# KiCad board PC110.kicad_pcb (continued)
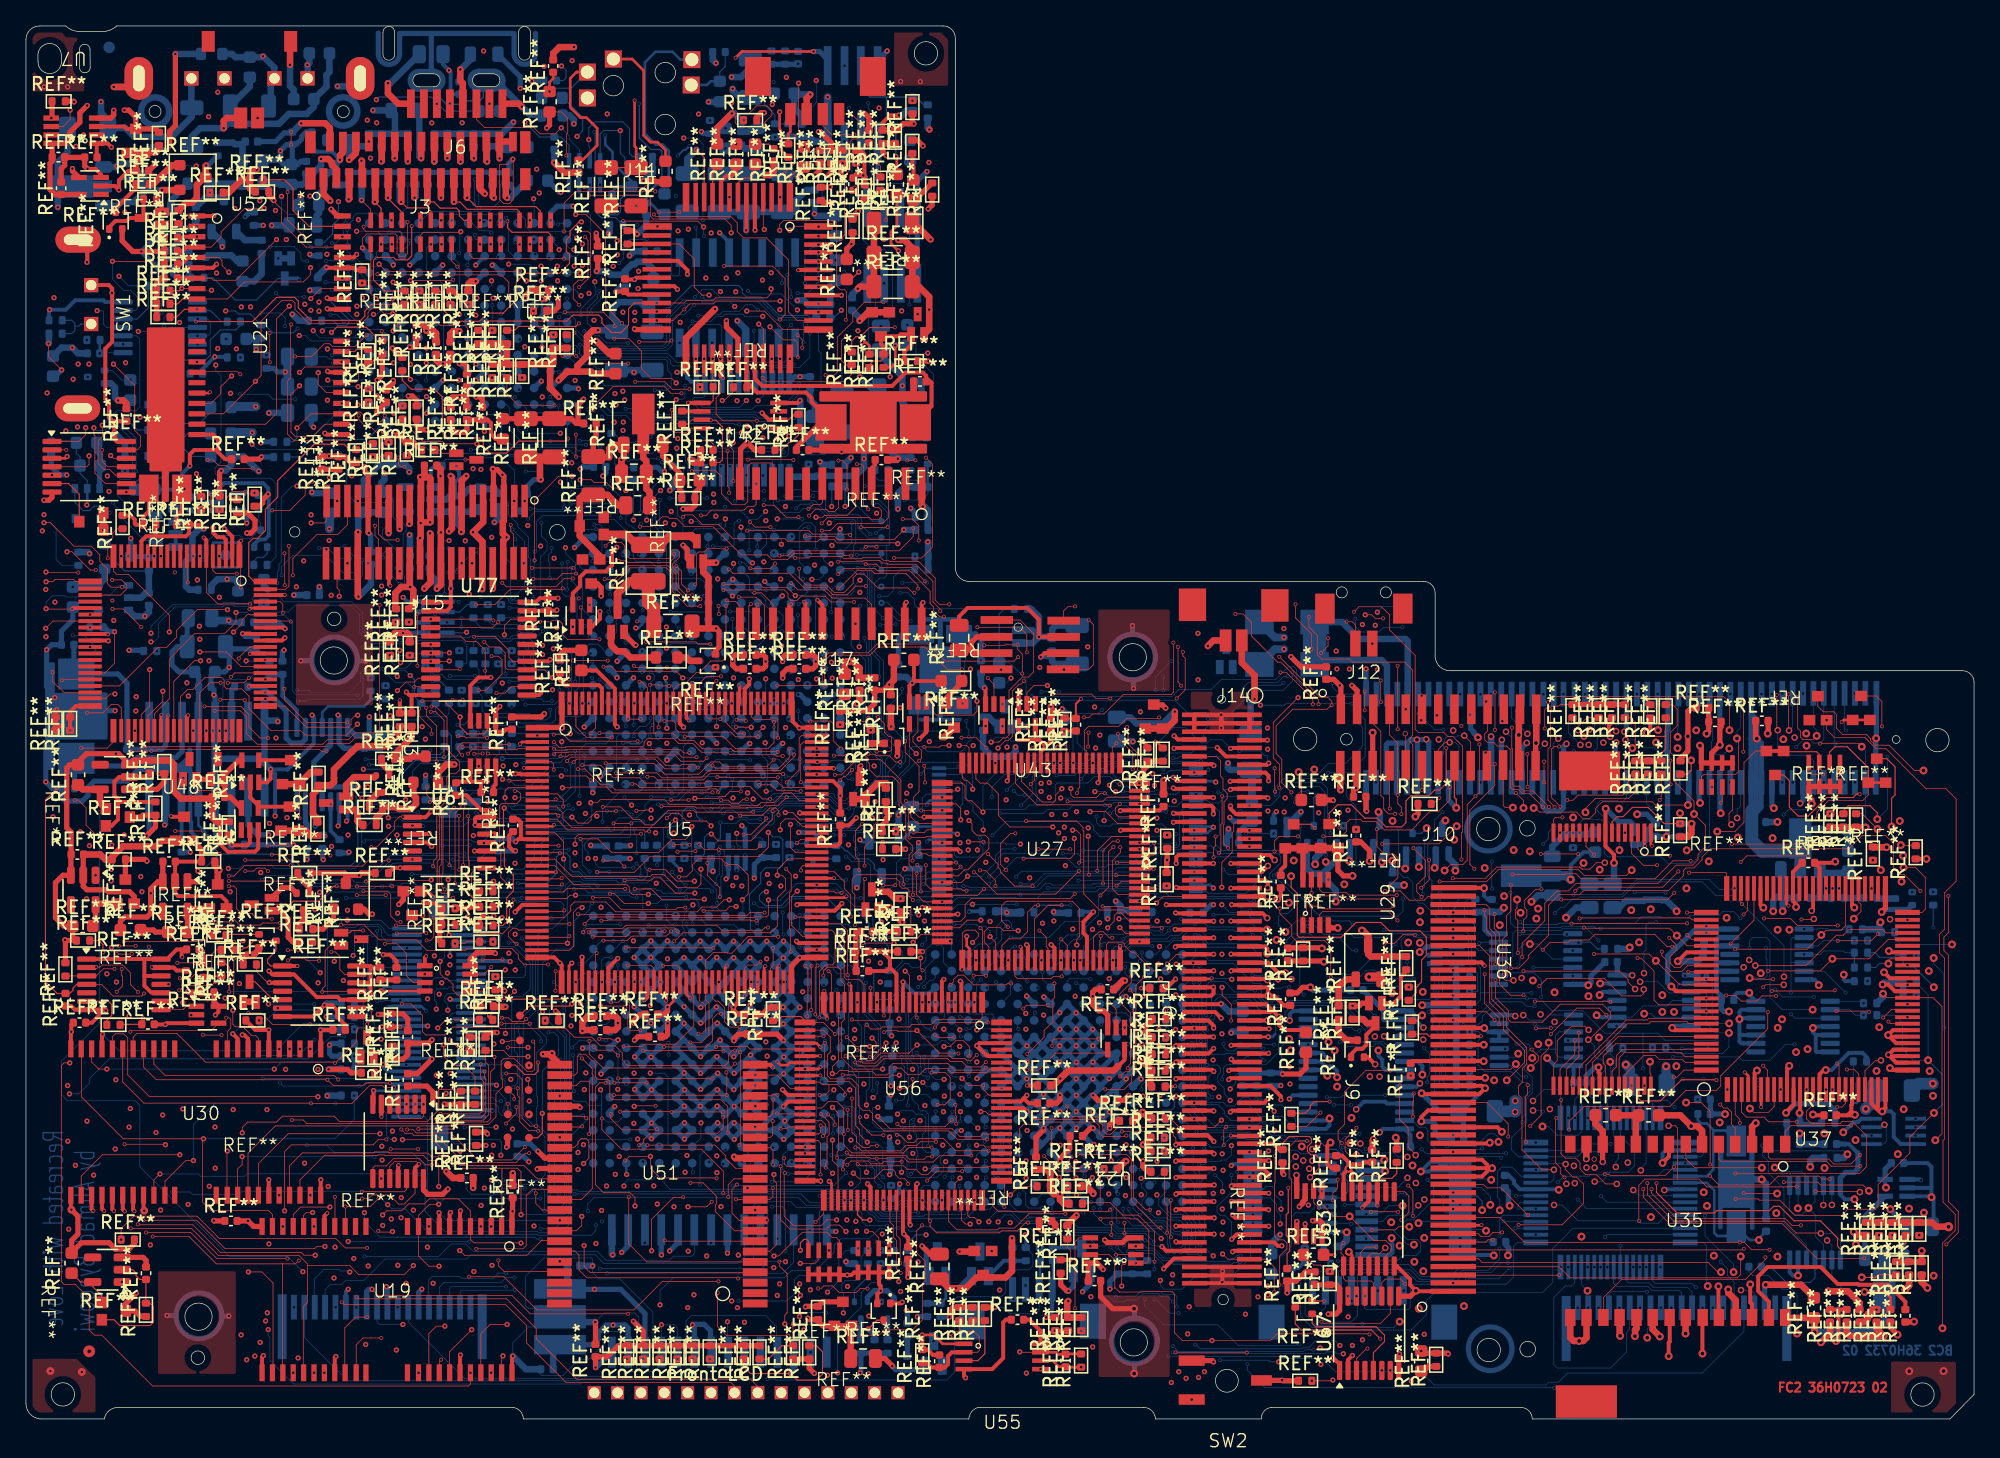
[diagram p0: board, top side]
## Routing (per net, layer and track width the routed paths; a pad name or vN(x,y) marks a point on that pad's centre or on a via; arc(x,y) is an arc through that point) (continued)
  BC1 w0.05: v11(71.32,41.09) 69.74,39.51 69.74,38.1 v11(69.34,37.7) ; v11(69.02,36.54) 69.41,36.54 70.07,35.88 70.07,32.02 70.48,31.61 71.86,31.61 72.29,31.18 72.29,30.93 v1(73.24,29.98) 72.75,29.49 72.75,28.6 71.7,27.55 71.7,25.88 v11(71.98,25.6)
  BC2 w0.05: v11(69.34,37.7) 69.34,36.86 v11(69.02,36.54) ; 72.57,25.65 72.03,25.65 v11(71.98,25.6)
  BC2 w0.2: U6.2 71.26,41.15 v11(71.32,41.09)
SA16: length 62.7
  BC1 w0.05: v11(44.38,48.91) 44.38,47.21 v11(44.73,46.86) ; v11(47.02,43.62) 48.01,43.62 48.18,43.45 49.48,43.45 49.91,43.88 52.22,43.88 52.86,43.24 53.56,43.24 53.98,43.66 53.98,44.35 54.14,44.51 55.64,44.51 56.4,43.75 56.96,43.75 57.08,43.87 57.08,44.35 56.2,45.23 56.2,46.38 56.58,46.76 v11(57.2,46.76) ; v11(63.16,43.33) 62.49,44 62.49,46.32 62.43,46.38 v11(62.43,46.84) ; v11(46.88,45.43) 46.64,45.67 v11(46.64,46.58) ; v11(69.96,26.98) 69.36,27.58 65.95,27.58 65.82,27.71 65.82,28.06 65.95,28.19 67.08,28.19 67.46,28.57 67.46,29.48 66.44,30.5 66.44,32.01 67.14,32.71 67.14,33.84 67.31,34.01 67.31,37.45 66.83,37.93 66.83,38.89 67,39.06 67,39.78 66.87,39.91 v11(66.87,40.58)
  BC2 w0.05: v11(44.73,46.86) 46.36,46.86 v11(46.64,46.58) ; v11(44.38,48.91) 44.94,48.91 ; v11(47.02,43.62) 47.05,43.65 47.05,44.94 46.88,45.11 v11(46.88,45.43) ; 70.03,26.92 69.97,26.98 v11(69.96,26.98) 69.96,26.98 U25.J1 ; U6.1 66.94,40.65 v11(66.87,40.58) 66.85,40.56 65.64,40.56 65.06,41.14 65.06,42.62 64.73,42.95 63.62,42.95 63.24,43.33 v11(63.16,43.33) ; v11(57.2,46.76) 57.47,47.03 57.63,47.03 58.21,47.61 61.59,47.61 62.36,46.84 v11(62.43,46.84)
SBHE#: length 61.1
  IC2 w0.05: v1(53.19,53.36) 53.27,53.28 53.27,52.58 53.69,52.16 53.69,51.9 53.39,51.6 53.39,43.4 52.55,42.56 52.55,41.74 51.77,40.96 51.08,40.96 50.19,40.07 50.19,24.09 52.1,22.18 66.11,22.18 66.3,22.37 70.29,22.37 71.41,21.25 71.41,20.35 v1(71.94,19.82)
  BC2 w0.05: v1(71.94,19.82) 71.94,19.8 72.46,19.28 U25.C3 ; v1(53.19,53.36) 53.19,54.51 53.04,54.66 51.08,54.66 50.41,53.99 50.02,53.99
SD0: length 293.1
  FC2 w0.05: v2(63.13,27.96) 64.41,27.96 64.75,27.62 65.27,27.62 65.84,28.19 68.01,28.19 v1(68.64,28.82) ; v5(142.88,27.63) 142.45,27.63 141.65,26.83 U37.22 ; v2(113.19,33.83) 113.19,32.46 114.2,31.45 114.2,30.76 114.38,30.58 116.8,30.58 118.18,31.96 121.44,31.96 122.03,31.37 122.03,30.86 120.39,29.22 v5(120.34,29.22) ; v1(56.78,53.3) 56.38,52.9 v2(56.38,52.57) 54.65,52.57 54.29,52.93 50.28,52.93 50.06,53.15 50.06,53.59 49.86,53.79 v2(49.18,53.79) ; U51.17 57.34,21.7 57.52,21.88 v2(57.52,22.95) ; v2(45.32,83.25) 46.44,83.25 47.4,82.29 47.4,80.94 48.15,80.19 49.74,80.19 v1(50.09,79.84)
  FC2 w0.2: U27.46 71.52,38.85 71.57,38.9 v1(71.77,38.9) ; v2(60,26.96) 61.03,26.96 v2(61.21,27.14)
  FC2 w0.3: v2(112.35,34.93) 112.1,35.18 109.93,35.18
  FC1 w0.05: v2(112.35,34.93) 112.05,34.63 112.05,34.06 112.28,33.83 v2(113.19,33.83) ; v2(57.52,22.95) 57.13,23.34 57.13,25.85 57.44,26.16 59.47,26.16 60,26.69 v2(60,26.96) ; v2(63.13,27.96) 62.31,27.14 v2(61.21,27.14) ; v2(45.32,83.25) 45.32,82.53 44.73,81.94 44.73,76.46 46.62,74.57 46.62,70.6 46.31,70.29 46.31,65.23 48.63,62.91 48.63,54.34 v2(49.18,53.79) ; v2(56.38,52.57) 56.38,50.26 58.27,48.37 58.27,47.75 58.42,47.6 60.68,47.6 60.91,47.37 v2(60.91,47.17)
  IC1 w0.05: v3(131.19,30.48) 129.77,30.48 129.43,30.82 121.94,30.82 v5(120.34,29.22)
  IC2 w0.05: v1(68.64,28.82) 69.19,28.82 69.92,29.55 69.92,37.99 70.83,38.9 v1(71.77,38.9)
  IC3 w0.05: v1(68.64,28.82) 69.23,28.82 69.74,29.33 69.74,29.74 70.53,30.53 71,30.53 71.29,30.24 71.29,28.62 71.67,28.24 72.27,28.24 72.39,28.36 83.83,28.36 85.1,29.63 87.4,29.63 90.42,32.65 93.56,32.65 94.26,31.95 95.62,31.95 95.93,32.26 98.09,32.26 98.1,32.25 101.95,32.25 102.09,32.39 107.95,32.39 108.28,32.06 117.5,32.06 v5(120.34,29.22) ; v5(142.88,27.63) 142.84,27.67 139.15,27.67 137.59,29.23 132.44,29.23 v3(131.19,30.48) ; v1(79.47,51.76) 78.92,51.21 69.31,51.21 67.92,52.6 64.31,52.6 63.99,52.28 63.43,52.28 63.13,52.58 57.5,52.58 v1(56.78,53.3)
  IC4 w0.05: v1(71.77,38.9) 71.77,39.59 72.29,40.11 76.87,40.11 78.28,41.52 78.28,47.59 77.74,48.13 77.74,50.03 v1(79.47,51.76)
  BC1 w0.05: v11(90.13,48.15) 88.96,49.32 88.96,49.71 88.63,50.04 v11(87.61,50.04) ; v11(52.1,74) 51.13,74.97 51.13,77.02 50.54,77.61 50.54,79.39 v1(50.09,79.84) ; v11(79.39,49.6) 79.39,51.68 v1(79.47,51.76) ; v11(111.19,26.79) 111.85,26.13 111.85,25.3 112.09,25.06 116.34,25.06 116.56,24.84 116.56,23.52 117.31,22.77 119.13,22.77 119.3,22.94 v11(119.3,23.2) ; v11(56.38,52.89) 56.38,52.9
  BC1 w0.2: 56.38,52.9 v1(56.78,53.3)
  BC2 w0.05: 71.3,28.17 71.3,28.67 70.79,29.18 70.53,29.18 70.17,28.82 v1(68.64,28.82) ; v5(120.34,29.22) 120.82,28.74 120.82,27.95 121.03,27.74 121.32,27.74 121.61,27.45 121.61,26.87 120.79,26.05 120.79,25.57 120.63,25.41 120.09,25.41 119.3,24.62 v11(119.3,23.2) ; 129.44,34.14 129.88,33.7 129.88,31.02 130.42,30.48 v3(131.19,30.48) ; v11(87.61,50.04) 87.34,50.31 83.97,50.31 83.58,49.92 81.08,49.92 80.76,49.6 v11(79.39,49.6) ; v11(52.1,74) 57.38,74 57.49,73.89 57.49,73.81 57.5,73.81 U26.3
SD1: length 259
  FC2 w0.05: U51.19 57.29,23.3 57.54,23.55 57.54,24.59 v2(57.56,24.61) ; v3(114.06,26.1) 115.43,27.47 115.43,28.41 115.01,28.83 114.96,28.83 113.8,29.99 113.8,31.03 112.72,32.11 112.72,35.71 111.95,36.48 109.93,36.48 ; v2(140.25,26.93) 140.83,26.93 141.15,26.61 U37.21 ; v1(67.27,26.49) 66.67,26.49 66.5,26.32 64,26.32 63.81,26.51 v2(62.91,26.51) ; U27.47 71.99,38.35 72.34,38.7 72.34,39.64 72.8,40.1 80.42,40.1 v2(80.78,40.46) ; v2(61.18,26.47) 61.16,26.47
  FC2 w0.2: 61.16,26.47 60.01,26.47 U56.34
  FC2 w0.3: v1(59.6,46.71) 59.64,46.67 U5.95
  FC1 w0.05: v2(80.78,40.46) 80.85,40.53 80.85,43.05 81.23,43.43 82.28,43.43 83.04,44.19 v1(83.04,46.11) ; v2(140.25,26.93) 140.25,27.63 140,27.88 140,29.44 137.9,31.54 v3(137.62,31.54) ; v2(57.56,24.61) 59.54,24.61 60.97,23.18 62.15,23.18 62.39,23.42 62.39,23.46 62.63,23.7 62.63,24.55 61.89,25.29 61.89,26.17 ; v2(62.91,26.51) 62.57,26.17 61.89,26.17 ; 61.89,26.17 61.48,26.17 v2(61.18,26.47)
  IC1 w0.05: v1(59.6,46.71) 60.13,47.24 64.22,47.24 64.32,47.34 64.99,47.34 65.1,47.23 71.43,47.23 71.85,47.65 74.32,47.65 74.61,47.36 82.65,47.36 83.04,46.97 v1(83.04,46.11)
  IC2 w0.05: v1(67.27,26.49) 65.21,26.49 64.7,27 60.31,27 58.88,28.43 58.88,42.89 56.76,45.01 56.76,46.57 57.5,47.31 59,47.31 v1(59.6,46.71)
  IC4 w0.05: v1(59.6,46.71) 59.59,46.72 59.59,47.49 59.74,47.64 59.74,52.46 58.99,53.21 58.99,62.99 58.79,63.19 58.79,64.26 59.44,64.91 59.44,70.51 56.76,73.19 v1(56.76,75.61)
  BC1 w0.05: 118.84,28.63 118.35,28.63 118.01,28.29 115.87,28.29 115.58,28 115.58,27.41 115.46,27.29 115.46,26.94 114.62,26.1 v3(114.06,26.1) 114.06,26.92 112.69,28.29 112.2,28.29 111.66,28.83 v11(111.19,28.83) 109.51,28.83 109.05,29.29 109.05,30.64 109.15,30.74 109.15,33.38 108.76,33.77 108.41,33.77 107.26,34.92 105.14,34.92 103.63,36.43 102.37,36.43 101.87,36.93 101.87,39.76 101.08,40.55 101.08,42.99 100.24,43.83 96.67,43.83 96.4,44.1 95.18,44.1 94.76,44.52 94.76,47.53 94.31,47.98 v11(93.64,47.98) ; 118.84,28.63 119.14,28.63 119.29,28.78 119.65,28.78 120.09,28.34 125.56,28.34 125.79,28.57 125.79,28.88 126.01,29.1 127,29.1 v11(127.56,28.54) ; 118.84,28.63 118.83,28.62 118.83,23.23 v11(118.8,23.2) ; v1(67.27,26.49) 68.93,26.49 v11(69.25,26.81) ; v11(129.55,28.55) 129.55,30.11 128.99,30.67 128.99,35.97 129.32,36.3 v11(132.76,36.3) ; v11(69.18,27.88) 69.18,28.56 69.13,28.61 v11(69.13,29.41) ; v11(56.43,49.05) 56.43,49.67 56.65,49.89 57.74,49.89 58.5,49.13 59.15,49.13 59.37,48.91 59.37,47.76 59.6,47.53 v1(59.6,46.71) ; v1(56.76,75.61) 56.77,75.6 v11(56.77,72.71)
  BC2 w0.05: v11(69.25,26.81) 69.25,27.16 69.18,27.23 v11(69.18,27.88) ; v1(83.04,46.11) 83.04,46.76 83.78,47.5 84.96,47.5 85.08,47.38 87.86,47.38 88.03,47.21 88.66,47.21 89.1,47.65 91,47.65 91.18,47.47 91.87,47.47 92.38,47.98 v11(93.64,47.98) ; v11(129.55,28.55) 127.57,28.55 v11(127.56,28.54) ; v3(137.62,31.54) 135.27,31.54 134.33,32.48 134.33,36.83 134.06,37.1 133.02,37.1 132.76,36.84 v11(132.76,36.3) ; U26.4 56.79,72.73 v11(56.77,72.71) ; U25.L1 69.16,29.44 v11(69.13,29.41)
SD2: length 258.1
  FC2 w0.05: U56.35 61.14,25.96 61.32,25.78 61.85,25.78 ; U51.21 57.41,24.9 57.49,24.98 v2(57.88,24.98) ; v2(129.7,18.73) 130.39,18.04 134.01,18.04 134.03,18.05 134.3,18.05 134.96,18.71 138.12,18.71 138.34,18.49 v2(138.92,18.49) ; v1(58.49,46.73) 59.05,46.73 59.61,46.17 U5.94 ; v1(73.55,38.44) 72.5,38.44 71.91,37.85 U27.48 ; 61.85,25.78 61.85,25.26 61.55,24.96 v2(61.13,24.96) ; 61.85,25.78 62.51,25.78 63.07,25.22 v2(63.07,24.99) ; v3(127.87,24.38) 129.03,24.38 129.72,23.69 v2(129.72,19.61) ; v2(65.02,27.9) 65.25,27.9 65.65,28.3 65.65,28.37 v1(66.25,28.97) ; U37.19 140.15,24.31 139.88,24.04 v2(139.5,24.04)
  FC1 w0.05: v2(63.07,24.99) 63.07,24.71 63.38,24.4 63.84,24.4 64.16,24.72 64.16,26.18 65.02,27.04 v2(65.02,27.9) ; v2(109.93,37.73) 109.74,37.73 109.45,37.44 109.45,36.91 109.62,36.74 111.16,36.74 111.22,36.8 115.24,36.8 116.82,38.38 116.82,38.98 v3(116.47,39.33) ; v2(57.88,24.98) 61.11,24.98 v2(61.13,24.96) ; v2(129.7,18.73) 129.7,19.59 v2(129.72,19.61) ; v2(139.5,24.04) 138.96,23.5 138.96,18.53 v2(138.92,18.49)
  IC1 w0.05: v3(127.87,24.38) 126.63,23.14 119,23.14 117.63,24.51 v5(116.08,24.51)
  IC2 w0.05: v1(73.55,38.44) 73.62,38.37 73.62,33.33 70.7,30.41 v1(70.7,30.04) ; v1(57.86,75.55) 57.91,75.55 61.66,71.8 64.01,71.8 64.53,71.28 64.53,69.46 64.93,69.06 64.93,50.75 64.83,50.65 64.83,49.75 64.71,49.63 64.71,46.9 v1(64.6,46.79)
  IC3 w0.05: v1(70.7,30.04) 70.7,29.48 69.68,28.46 66.91,28.46 66.9,28.45 66.85,28.45 66.33,28.97 v1(66.25,28.97)
  IC4 w0.05: v1(66.25,28.97) 66.25,28.42 66.64,28.03 68.54,28.03 69.07,28.56 69.07,31.74 68.39,32.42 68.39,35.89 67.8,36.48 67.8,37.34 67,38.14 67,40.96 65.21,42.75 65.21,45.31 64.6,45.92 v1(64.6,46.79)
  BC1 w0.05: v11(108.86,37.05) 108.86,38.17 v11(109.57,38.88) ; v11(96.12,41.88) 96.12,40.92 96.83,40.21 96.83,39.7 97.86,38.67 97.86,36.55 98.69,35.72 100.23,35.72 101.17,34.78 v11(101.17,32.5) ; v11(74.18,41.25) 73.88,40.95 73.88,38.77 v1(73.55,38.44) ; v11(56.84,71.51) 57.35,72.02 57.35,73.65 57.25,73.75 57.25,74.94 v1(57.86,75.55) ; v3(116.47,39.33) 115.75,39.33 115.6,39.48 114.44,39.48 114.08,39.84 111.23,39.84 v11(110.71,40.36) ; v11(105.98,34.24) 105.98,32.1 105.6,31.72 104.06,31.72 103.88,31.54 v11(103.88,31.08) 104.56,31.08 105.86,29.78 105.86,28.62 106.33,28.15 110.86,28.15 v11(111.19,27.82) 110.76,27.39 110.76,26.51 110.99,26.28 111.36,26.28 111.54,26.1 111.54,25.16 113.62,23.08 114.89,23.08 115.24,23.43 115.24,23.85 115.9,24.51 v5(116.08,24.51) ; v11(56.78,49.52) 57.79,49.52 58.66,48.65 58.66,48.02 58.49,47.85 v1(58.49,46.73)
  BC2 w0.05: U26.5 56.2,71.74 56.42,71.51 v11(56.84,71.51) ; v11(96.12,41.88) 96.12,41.89 96.87,42.64 96.87,43.55 96.61,43.81 92.09,43.81 91.63,44.27 91.63,44.73 91.93,45.03 91.93,46.79 91.57,47.15 89.3,47.15 88.85,46.7 88.85,44.23 88.67,44.05 87.19,44.05 85.87,42.73 83.36,42.73 83.16,42.53 80.88,42.53 80.16,43.25 76.28,43.25 74.28,41.25 v11(74.18,41.25) ; v11(103.88,31.08) 102.46,32.5 v11(101.17,32.5) ; v5(116.08,24.51) 116.08,24.55 116.91,25.38 117.97,25.38 118.2,25.15 U31.1 ; 71.3,29.44 71.3,29.44 v1(70.7,30.04) ; v11(110.71,40.36) 110.2,39.85 110.2,39.51 v11(109.57,38.88) ; v1(58.49,46.73) 59.09,46.73 59.54,46.28 60.13,46.28 60.32,46.09 63.2,46.09 63.58,46.47 63.58,46.48 63.77,46.67 63.77,47.01 63.92,47.16 64.23,47.16 v1(64.6,46.79) ; v11(105.98,34.24) 105.98,36.43 105.92,36.49 105.92,36.92 106.25,37.25 106.97,37.25 107.1,37.12 108.37,37.12 108.44,37.05 v11(108.86,37.05)
  BC2 w0.4: v11(56.78,49.52) 56.78,49.78 U2.L15
SD3: length 446.2
  FC2 w0.05: v2(45.61,28.01) 45.2,28.42 43.98,28.42 v2(43.72,28.68) ; U56.36 58.89,25.46 57.85,26.5 v2(56.17,26.5) ; v2(52.87,26.23) 52.86,26.24 v2(45.61,26.24) ; v2(139.49,27.39) 139.65,27.23 U37.18 ; v3(132.77,33.98) 132.86,33.89 v2(134.57,33.89) ; v1(68.33,36.74) 68.95,37.35 U27.49 ; 109.93,11.08 118.09,11.08 v2(118.1,11.09) ; U5.93 59.8,45.67 59.23,46.24 58.47,46.24 58.1,45.87 v1(58.1,45.4)
  FC1 w0.05: v2(45.61,26.24) v2(45.61,28.01) ; v1(39.79,31.37) 39.79,31.07 39.69,30.97 39.69,30.32 39.79,30.22 39.79,29.24 40.02,29.01 43,29.01 43.33,28.68 v2(43.72,28.68) ; v2(52.87,26.23) 55.9,26.23 v2(56.17,26.5) ; v2(118.1,11.09) 118.1,11.05 119.75,9.4 126.41,9.4 127.83,10.82 131.68,10.82 132.82,11.96 135.15,11.96 135.6,12.41 135.6,16.16 136.42,16.98 137.86,16.98 138.35,17.47 138.35,18.34 138.07,18.62 138.07,22.62 138.41,22.96 138.41,23.67 139.64,24.9 139.64,26.05 139.49,26.2 v2(139.49,27.39) 139.49,29.05 137.78,30.77 137.43,30.77 137.02,31.17 137.02,33.35 135.75,34.62 135.17,34.62 134.57,34.02 v2(134.57,33.89)
  IC1 w0.05: v1(39.79,31.37) 39.27,31.37 39.04,31.14 30.88,31.14 27.69,34.33 23.48,34.33 22.45,35.36 16.98,35.36 16.15,36.19 16.15,37.8 16.26,37.91 37.89,37.91 38.63,37.17 43.05,37.17 44.02,36.2 65.15,36.2 65.48,36.53 66.3,36.53 66.67,36.16 67.76,36.16 v1(68.33,36.74)
  IC2 w0.05: v1(68.33,36.74) 68.75,36.74 69.44,36.04 69.44,35.32 69.03,34.91 67.21,34.91 66.94,34.64 63.71,34.64 60.29,38.06 60.29,42.2 58.1,44.39 v1(58.1,45.4)
  IC4 w0.05: v1(59.42,85.46) 60.11,84.77 60.11,65.79 61.3,64.6 61.3,56.24 61.01,55.95 61.01,41.91 60.56,41.46 59.03,41.46 58.83,41.66 58.83,44.67 v1(58.1,45.4)
  BC1 w0.05: v11(115.27,22.87) 116,22.87 116.29,22.58 v11(116.29,21.3) ; 113.17,37.28 113.17,36.3 113.91,35.56 113.91,33.33 113.69,33.11 111.97,33.11 111.73,33.35 110.93,33.35 110.72,33.14 110.72,32.66 111.44,31.94 111.44,30.09 v11(111.19,29.84) ; 113.17,37.28 110.81,37.28 110.01,38.08 110.01,39.26 109.17,40.1 106.08,40.1 v11(106.07,40.11) ; 113.17,37.28 114.11,37.28 115.08,38.25 v11(115.08,38.28) ; v11(98.72,48.34) v11(98.72,49.66) ; v11(132.06,38.58) 132.06,38.28 v11(134.03,36.31) ; v11(76.08,48.4) 76.08,49.26 76.66,49.84 76.66,52.05 76.42,52.29 76.42,55.07 77.05,55.7 v11(77.46,55.7) ; v11(98.15,45.68) 97.8,45.68 97.75,45.73 v11(97.75,47.53) ; v11(55.61,86.93) 55.24,86.93 54.88,87.29 54.58,87.29 53.68,86.39 53.13,86.39 52.52,85.78 52.52,82.15 52.7,81.97 52.7,80.45 52.46,80.21 52.46,79.46 52.69,79.23 52.7,79.23 52.7,76.19 53.11,75.78 53.3,75.78 55.52,73.56 v11(55.52,72.72) ; v11(70.77,32.41) 70.77,33.35 71.13,33.71 71.13,34.9 70.79,35.24 v11(70.79,36.9) 69.21,36.9 68.98,37.13 68.73,37.13 v1(68.33,36.74) ; v11(76.92,48.07) 76.92,47.6 77.06,47.46 77.06,43.42 76.61,42.97 v11(76.61,41.23) 76.6,41.22 v11(76.6,40.41) ; v1(58.1,45.4) 58.08,45.4 57.85,45.63 57.85,48.46 57.43,48.88 v11(57.01,48.88)
  BC2 w0.05: v11(77.46,55.7) 77.83,55.7 77.85,55.68 88.28,55.68 88.82,56.22 91.3,56.22 92.08,57 96.26,57 97.22,57.96 97.64,57.96 97.89,57.71 97.89,56.93 98.26,56.56 98.83,56.56 99.73,55.66 102.17,55.66 102.42,55.41 102.42,53.84 102.93,53.33 102.93,51.81 101.65,50.53 100.34,50.53 99.44,49.63 98.75,49.63 v11(98.72,49.66) ; v11(111.19,29.84) 111.9,29.84 112,29.74 112,29.3 111.86,29.16 111.86,27.28 112.34,26.79 114.37,26.79 115.23,25.93 115.62,25.93 115.85,25.7 115.85,25.25 115.41,24.81 115.41,23.38 115.27,23.24 v11(115.27,22.87) ; v11(55.52,72.72) 55.53,72.73 55.55,72.73 ; v11(76.08,48.4) 76.41,48.07 v11(76.92,48.07) ; v11(55.61,86.93) 55.84,86.7 58.18,86.7 v1(59.42,85.46) ; v11(132.06,38.58) 131.53,39.11 130.7,39.11 130.37,38.78 128.17,38.78 128.05,38.66 125.94,38.66 125.87,38.73 124.46,38.73 123.94,38.21 118.08,38.21 118.07,38.21 117.95,38.09 115.27,38.09 v11(115.08,38.28) ; 56.37,51.45 57.13,50.69 57.13,49.33 57.01,49.21 v11(57.01,48.88) ; v11(98.72,48.34) 98.15,48.34 97.75,47.94 v11(97.75,47.53) ; U25.M1 70.52,30.71 70.75,30.94 70.75,32.39 v11(70.77,32.41) ; v11(76.61,41.23) 77.66,41.23 78.47,42.04 83.87,42.04 83.98,42.15 86.51,42.15 87.05,42.69 87.05,43.42 87.49,43.86 88.88,43.86 89.15,44.13 89.15,46.49 89.31,46.65 U6.28 ; v3(132.77,33.98) 133.37,33.98 133.42,33.93 133.89,33.93 134.1,34.14 134.1,35.43 134.03,35.5 v11(134.03,36.31) ; v11(70.79,36.9) 70.83,36.94 70.83,39.65 71.62,40.44 76.57,40.44 v11(76.6,40.41) ; v11(106.07,40.11) 106.06,40.1 106.06,39.12 105.69,38.75 99.66,38.75 96.87,41.54 96.87,42.26 97.1,42.49 97.1,43.51 98.15,44.56 v11(98.15,45.68)
SD4: length 353.1
  FC2 w0.05: v2(54.06,22.06) 54.06,24.07 53.53,24.6 45.15,24.6 44.97,24.78 44.97,26.01 44.82,26.16 44.82,26.17 44.06,26.17 43.87,26.36 43.87,27.33 43.11,28.09 42.64,28.09 42.46,27.91 42.46,26.68 42.28,26.5 U51.26 ; v2(57.97,46.55) 57.97,46.87 57.76,47.08 57.28,47.08 56.7,46.5 v2(55.02,46.5) ; 109.93,12.38 111.84,12.38 112.15,12.07 129.56,12.07 130.31,11.32 v3(130.56,11.32) ; v2(69.76,20.92) 68,20.92 67.58,20.5 63.61,20.5 62.99,21.12 v2(62.99,21.95) 62.99,23.94 62.46,24.47 61.81,24.47 61.3,23.96 U56.39 ; v1(72.91,36.72) 73.36,37.17 73.36,37.41 73.1,37.67 72.36,37.67 72.12,37.43 72.12,35.34 72.1,35.32 v2(72.1,34.64) ; v1(55.86,53.3) 55.85,53.31 v2(54.7,53.31) ; v2(137.84,17.54) 141.2,17.54 v5(141.26,17.49)
  FC1 w0.05: v2(139.15,25.39) 139.15,25.15 138.17,24.17 ; 138.17,24.17 138.17,23.07 137.84,22.74 v2(137.84,17.54) ; 138.17,24.17 138.17,24.19 ; v2(55.02,46.5) 55.02,47.93 54.7,48.25 v2(54.7,53.31) ; v2(62.99,21.95) 62.13,21.95 61.77,22.31 59.74,22.31 58.56,21.13 56.52,21.13 55.59,22.06 v2(54.06,22.06) ; v2(60.91,45.17) 60.91,45.43 60.08,46.26 58.26,46.26 v2(57.97,46.55) ; v2(72.1,34.64) 72.57,34.17 72.57,33.43 71.85,32.71 71.85,31.75 71.38,31.28 71.38,29.82 71.19,29.63 71.19,28 71.33,27.86 71.33,26.05 70.85,25.57 70.57,25.57 69.93,24.93 69.93,23.44 69.76,23.27 v2(69.76,20.92)
  IC2 w0.05: v1(55.86,53.3) 56.44,53.88 60.25,53.88 62,52.13 62,47.22 63.52,45.7 68.63,45.7 70.47,43.86 70.47,41.02 72.95,38.54 72.95,38.05 72.96,38.05 73.39,37.62 73.39,37.07 73.04,36.72 v1(72.91,36.72) ; v3(130.56,11.32) 130.56,11.37 131.2,12.01 131.2,13.76 134.15,16.71 137.35,16.71 138.13,17.49 v5(141.26,17.49)
  IC4 w0.05: v1(55.89,69.94) 56.42,69.42 56.42,53.86 v1(55.86,53.3)
  BC1 w0.05: v11(88.36,50.92) 88.08,50.92 87.25,50.09 87.25,49.46 87.04,49.25 86.74,49.25 86.28,48.79 v11(86.28,44.9) ; v11(130.23,29.18) 130.23,31.45 132.17,33.39 133.65,33.39 133.93,33.11 v11(134.73,33.11) ; v11(113.95,53.72) 113.95,53.71 114.54,53.12 114.54,50.22 116.64,48.12 116.64,47.16 119.55,44.25 119.55,43.83 117.12,41.4 117.12,35.09 116.41,34.38 116.02,34.38 115.62,33.98 v11(115.62,32.41) ; v11(102.4,61.68) 102.4,59.58 101.15,58.33 100.41,58.33 99.31,57.23 v11(97.19,57.23) ; v11(88.13,44.91) 88.39,44.65 v11(90.13,44.65) ; v11(55.81,71.5) 55.81,70.95 55.89,70.87 v1(55.89,69.94) ; v11(74.44,44.96) 74.44,44.22 74.51,44.15 74.51,42.58 73.36,41.43 73.36,39.54 72.94,39.12 72.94,37.94 73.25,37.63 73.25,37.06 v1(72.91,36.72) 72.91,35 73.27,34.64 73.27,33.07 74.21,32.13 v11(74.21,29.41) ; v11(95.01,51.1) 95.01,53.4 93.66,54.75 v11(93.66,55.76) ; v11(106.02,61.01) 106.07,60.96 106.07,56.84 106.65,56.26 113.18,56.26 113.95,55.49 v11(113.95,54.42) ; v11(137.71,32.52) 138.45,32.52 139.22,31.75 139.22,19.09 140.82,17.49 v5(141.26,17.49) ; v11(124.55,27.02) 124.55,26.52 122.05,24.02 v11(122.05,21.19)
  BC2 w0.05: v11(102.4,61.68) 102.4,61.06 102.81,60.65 104.21,60.65 104.57,61.01 v11(106.02,61.01) ; v11(95.01,51.1) 94.57,51.1 94.49,51.02 90.51,51.02 90.49,51.04 88.86,51.04 88.74,50.92 v11(88.36,50.92) ; 124.57,29.73 125.7,29.73 126.25,29.18 v11(130.23,29.18) ; 124.57,29.73 124.53,29.73 124.55,29.71 v11(124.55,27.02) ; 124.57,29.73 121.62,29.73 119.88,31.47 117.53,31.47 116.79,32.21 116.51,32.21 116.31,32.41 v11(115.62,32.41) 113.17,32.41 111.73,30.97 REF**#778.1 ; v11(113.95,54.42) v11(113.95,53.72) ; 73.84,29.46 73.89,29.41 v11(74.21,29.41) ; v1(55.86,53.3) 55.86,53.48 56.37,53.99 ; v11(93.66,55.76) 93.66,56.26 94.16,56.76 96.41,56.76 96.88,57.23 v11(97.19,57.23) ; U31.63 119.64,20.7 120.13,21.19 v11(122.05,21.19) ; v11(55.81,71.5) 55.17,71.5 54.9,71.78 U26.7 ; v11(137.71,32.52) 135.32,32.52 v11(134.73,33.11) ; v11(88.13,44.91) 86.29,44.91 v11(86.28,44.9) 82.73,44.9 82.24,45.39 82.24,45.68 82.23,45.68 81.88,46.03 75.51,46.03 v11(74.44,44.96)
SD5: length 309.4
  FC2 w0.05: v2(53.95,26.71) 53.98,26.68 v2(53.98,24.95) v2(45.28,24.95) ; 60,23.51 57.89,23.51 v2(57.86,23.54) ; v2(57.01,46.28) 57.01,46.21 55.83,45.03 v2(55.27,45.03) ; 109.93,13.63 112.43,13.63 112.6,13.8 v2(112.99,13.8) ; v2(59.38,44.37) 59.68,44.67 U5.91
  FC2 w0.2: U27.52 72.67,36.25 72.46,36.46 v1(72.46,37.19)
  FC1 w0.05: v2(53.98,24.95) 56.44,24.95 56.81,24.58 56.81,22.92 57.17,22.56 57.63,22.56 57.86,22.79 v2(57.86,23.54) ; v2(53.95,26.71) 53.57,27.09 52.87,27.09 52.63,27.33 52.63,36.83 54.18,38.38 54.45,38.38 55.74,39.67 55.74,40.27 56.55,41.08 56.55,41.96 55.27,43.24 v2(55.27,45.03) ; v3(131.53,11.32) 131.53,13 130.05,14.48 117.81,14.48 117.13,13.8 v2(112.99,13.8) ; v2(138.65,25.39) 138.65,25.91 139.14,26.4 139.14,27.74 136.69,30.19 136.69,33.19 135.8,34.08 v5(135.41,34.08) ; v1(57.02,48.37) 57.02,47.87 56.78,47.63 56.78,46.51 v2(57.01,46.28) 57.01,45.88 56.74,45.61 56.74,44.97 57.02,44.69 59.06,44.69 v2(59.38,44.37) ; v2(45.28,24.95) 45.21,24.88 41.14,24.88 v2(41.12,24.9)
  IC1 w0.05: v1(72.46,37.19) 72.9,37.63 73.21,37.63 74.89,35.95 90.33,35.95 90.68,36.3 94.21,36.3 94.85,36.94 95.65,36.94 96.24,37.53 v3(97.01,37.53)
  IC2 w0.05: v1(57.02,48.37) 57.09,48.3 59.83,48.3 62.71,45.42 68.42,45.42 69.72,44.12 69.72,30.05 68.97,29.3 68.35,29.3 68.12,29.07 68.12,28.52 68.34,28.3 69.67,28.3 71.27,29.9 71.84,29.9 v1(71.93,29.99)
  IC4 w0.05: v1(71.93,29.99) 71.93,30.75 71.52,31.16 71.52,36.25 v1(72.46,37.19) ; v1(57.02,48.37) 57.02,51.31 56.47,51.86 56.47,52.66 56.27,52.86 55.74,52.86 55.42,53.19 55.42,53.84 56.19,54.61 56.19,64.99 55.49,65.69 55.49,69.09 55.09,69.49 55.09,75.97 v1(55.11,75.99)
  BC1 w0.05: v11(54.23,73.42) 54.23,74.01 v11(53.08,75.16) ; v11(115.4,28.54) 115.4,28.96 115.92,29.48 115.92,32.1 115.96,32.14 v11(115.96,32.84) 116.43,33.31 117.12,33.31 117.57,33.76 117.57,37.65 117.78,37.86 v11(117.78,38.99) ; v11(102.19,38.1) 104.18,38.1 v11(104.61,37.67) ; v11(121.21,20.44) 122.09,20.44 122.94,19.59 122.94,19.44 123.11,19.27 123.62,19.27 125.2,20.85 128.19,20.85 128.72,20.32 128.72,15.73 128.78,15.67 v11(129.33,15.67)
  BC2 w0.05: v5(135.41,34.08) 135.41,36.46 131.54,40.33 130.17,40.33 129.11,41.39 124.13,41.39 122.96,40.22 119.69,40.22 119.54,40.07 119.11,40.07 118.48,39.44 118.23,39.44 v11(117.78,38.99) ; 112.04,32.84 112.03,32.85 112.03,34.76 111.34,35.45 111.34,37.13 110.91,37.56 107.21,37.56 107.12,37.65 104.63,37.65 v11(104.61,37.67) ; 112.04,32.84 112.04,32.3 111.7,31.96 111.66,31.96 111.65,31.95 REF**#668.1 ; 112.04,32.84 v11(115.96,32.84) ; v11(102.19,38.1) 101.91,38.38 97.86,38.38 v3(97.01,37.53) 96.48,38.06 96.48,38.7 96.73,38.95 97.19,38.95 97.8,39.56 97.8,40.22 96.48,41.54 95.93,41.54 95.8,41.67 95.8,42.02 96.65,42.87 96.65,43.37 96.43,43.59 91.89,43.59 91.33,44.15 U6.33 ; v1(55.11,75.99) 54.57,75.99 53.74,75.16 v11(53.08,75.16) ; 71.3,30.71 71.3,30.71 71.91,30.1 71.91,30.01 v1(71.93,29.99) ; v11(121.21,20.44) 121.06,20.59 119.88,20.59 119.49,20.2 114.96,20.2 114.44,20.72 114.44,21.69 115.59,22.84 115.59,24.7 116.02,25.13 116.02,26.31 115.4,26.93 v11(115.4,28.54) ; v3(131.53,11.32) 131.53,11.92 129.33,14.12 v11(129.33,15.67) ; 54.25,72.73 54.23,72.75 v11(54.23,73.42) ; 57.64,48.91 57.64,48.61 57.4,48.37 v1(57.02,48.37)
SD6: length 318.4
  FC2 w0.05: v2(112.11,14.94) 112.1,14.93 ; 60,23.01 61.27,23.01 61.6,22.68 61.6,22.01 v2(61.39,21.8) ; v1(58.89,45.82) 58.89,44.03 59.25,43.67 U5.89 ; v2(44.36,23.16) 44.36,22.3 45.87,20.79 52.02,20.79 53.71,19.1 v2(53.71,17.4) ; U51.30 43.04,23.3 v2(43.15,23.19) ; v2(69.76,26.7) 70.81,26.7 71.19,26.32 71.19,24.62 70.78,24.21 v2(70.22,24.21) ; v2(69.06,34.57) 68.91,34.72 v1(68.91,35.53) ; v2(70.09,21.36) 68.89,21.36 68.6,21.07 67.77,21.07 67.36,20.66 64.38,20.66 64.12,20.92 v2(63.89,20.92) ; U37.14 137.65,24.22 137.13,23.7 137.13,23.14 137.51,22.76 139.74,22.76 139.89,22.91 140.69,22.91 141.75,21.85 141.75,19.42 141.25,18.92 131.68,18.92 v2(131.67,18.92) ; v5(118.59,19.64) 118.59,19.21 119.16,18.64 119.43,18.64 119.97,18.1 119.97,16.61 118.32,14.96 v2(114.97,14.96)
  FC2 w0.2: 112.1,14.93 109.93,14.93
  FC1 w0.05: v2(73.17,35.35) 70.41,35.35 70.23,35.53 v1(68.91,35.53) ; v2(112.11,14.94) 114.95,14.94 v2(114.97,14.96) ; v2(63.89,20.92) 63.62,20.92 63.48,21.06 61.62,21.06 61.39,21.29 v2(61.39,21.8) 59.67,21.8 58.82,20.95 57.54,20.95 55.94,19.35 55.94,17.59 55.75,17.4 v2(53.71,17.4) ; v2(44.36,23.16) 44.33,23.19 v2(43.15,23.19) ; v2(69.06,34.57) 69.34,34.29 69.34,33.74 70.49,32.59 70.49,30.56 70.3,30.37 70.3,29.35 69.76,28.81 v2(69.76,26.7) ; v2(131.67,18.92) 131.67,26.65 133.4,28.38 133.4,34.13 v3(133.62,34.35) ; v2(70.09,21.36) 70.22,21.49 v2(70.22,24.21)
  IC2 w0.05: v1(68.91,35.53) 67.16,35.53 64.17,38.52 62.69,38.52 60.88,40.33 60.88,44.89 59.95,45.82 v1(58.89,45.82)
  IC3 w0.05: v5(115.2,33.98) 115.68,34.46 123.07,34.46 123.46,34.85 126.94,34.85 128.29,33.5 133.29,33.5 133.62,33.83 v3(133.62,34.35)
  IC4 w0.05: v5(118.59,19.64) 118.59,30.97 117.9,31.66 117.86,31.66 117.79,31.73 116.92,31.73 115.2,33.45 v5(115.2,33.98) ; v1(56.73,87.76) 57.86,87.76 58.54,87.09 58.54,76.89 58.32,76.66 58.32,71.96 59.64,70.64 59.64,64.31 59.97,63.99 59.97,56.49 60.39,56.06 60.39,46.59 59.63,45.82 v1(58.89,45.82)
  BC1 w0.05: v5(115.2,33.98) 115.2,33.37 114.75,32.92 111.21,32.92 v11(111.19,32.94) ; v11(71.32,41.54) 68.64,41.54 68,40.9 68,39.24 68.25,38.99 68.25,38 67.91,37.66 67.91,36.51 68.89,35.53 v1(68.91,35.53) 69.74,35.53 69.87,35.4 69.87,31.46 70.34,30.99 v11(71.95,30.99) ; v11(53.52,73.43) 53.52,73.88 52.12,75.28 52.12,78.77 51.86,79.03 51.86,80.59 52.1,80.83 52.1,81.72 51.79,82.03 v11(51.79,85.03) ; v11(95.02,43.24) 95.02,42.45 95.32,42.15 95.88,42.15 96.1,42.37 97.6,42.37 98.73,41.24 v11(98.73,38) ; v11(58.3,48.47) 58.3,47.96 58.02,47.68 58.02,46.51 58.27,46.26 58.47,46.26 58.89,45.84 v1(58.89,45.82) ; v1(56.73,87.76) 56.73,85.79 v11(56.38,85.44)
  BC2 w0.05: v11(71.95,30.99) 72.14,30.99 72.4,30.73 72.57,30.73 ; v11(58.3,48.47) 58.3,48.8 58.22,48.88 58.22,49.6 57.64,50.18 ; v11(95.02,43.24) 94.94,43.32 91.68,43.32 91.35,43.65 87.74,43.65 87.43,43.34 87.43,42.04 86.63,41.24 82.2,41.24 82.1,41.14 79.07,41.14 78.95,41.26 78.51,41.26 78.02,40.77 71.87,40.77 71.71,40.93 71.71,40.97 71.7,40.98 71.7,41.38 71.54,41.54 v11(71.32,41.54) ; v5(118.59,19.64) 118.53,19.7 116.29,19.7 ; v11(53.52,73.43) 53.52,72.81 U26.9 ; v11(111.19,32.94) 111.77,32.94 111.82,32.99 111.82,34.34 111.12,35.04 111.12,36.9 110.72,37.3 107.23,37.3 107.13,37.4 105.03,37.4 104.72,37.09 102.32,37.09 102.07,37.34 99.93,37.34 99.27,38 v11(98.73,38) ; v11(56.38,85.44) 55.96,85.86 55.45,85.86 54.93,85.34 53.68,85.34 53.48,85.14 52.84,85.14 52.73,85.03 v11(51.79,85.03)
